# Altium PCB ZYNQ_JTY_16CH.PcbDoc (part 1 of 4)
Units mil, origin at the board's own origin, x right, y up, seen from the top; angles counter-clockwise.
Board outline 6456.69 x 4901.57 mil, 4 copper layers (Top1, GND2, PWR3, Bottom4), stack 22.378 mil thick; 525 components, 438 nets, 2202 pads, 1379 vias.
Unrouted connection lines stored in the file: 13.
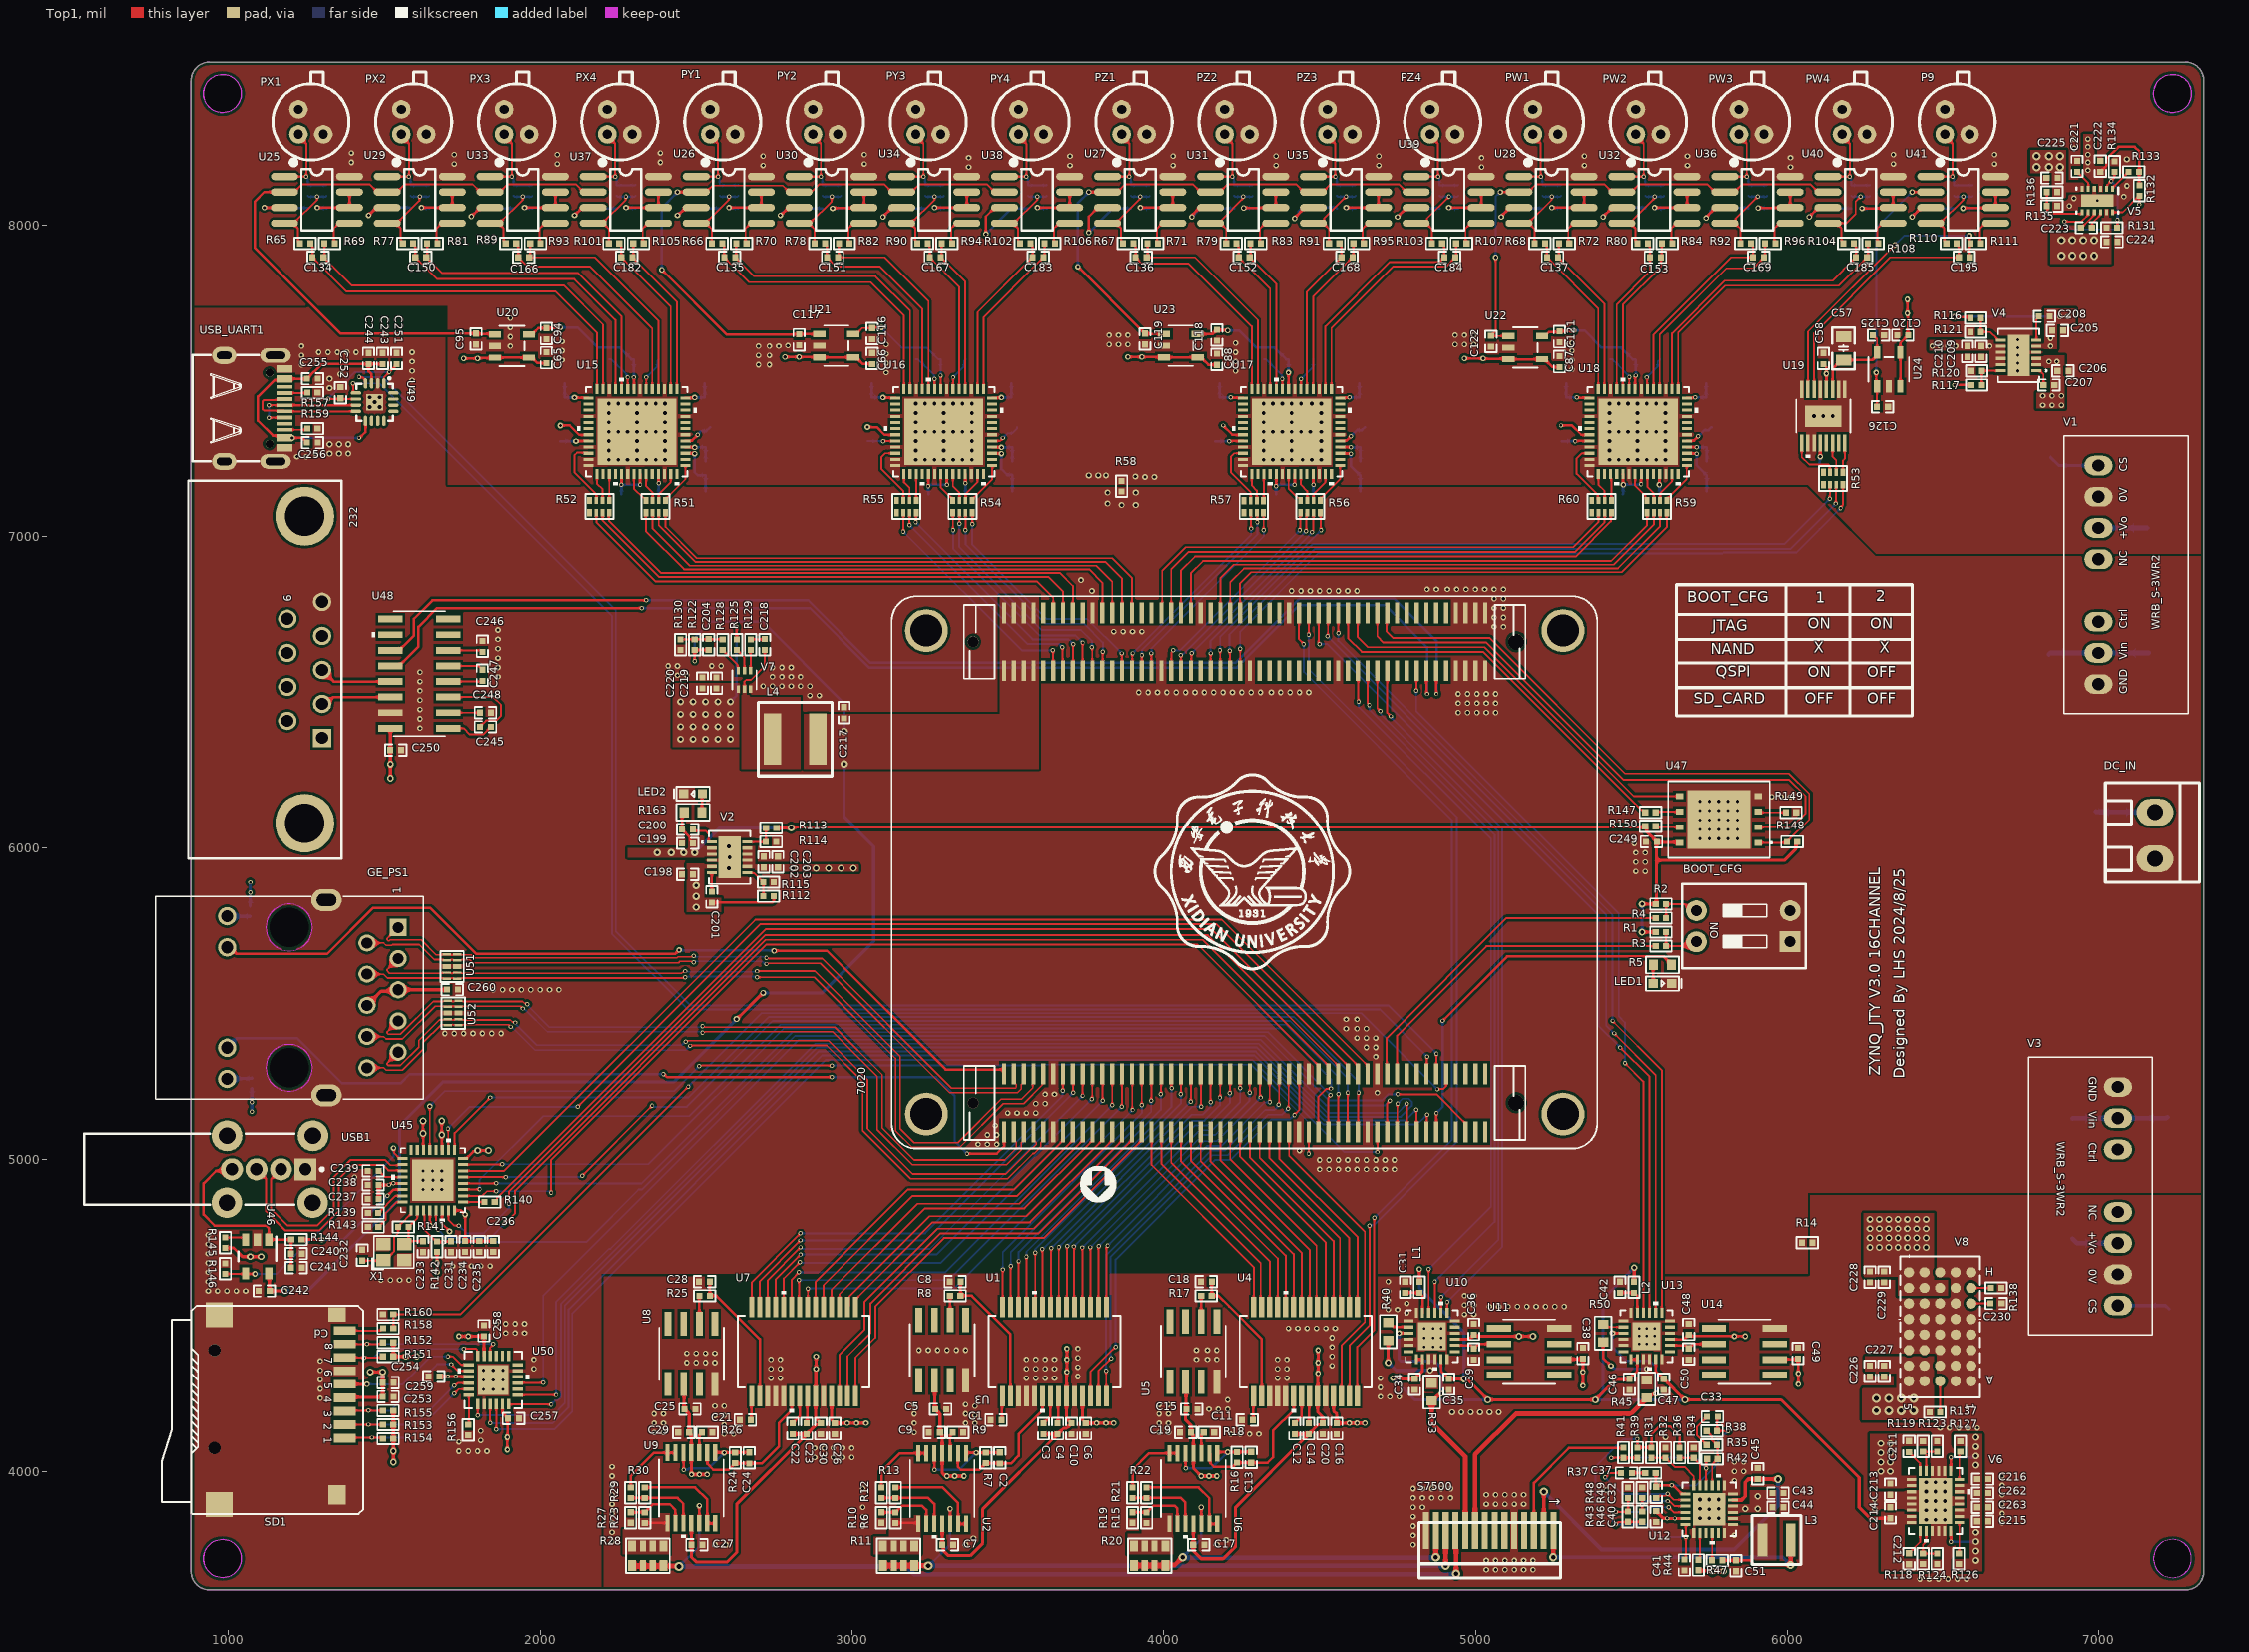
[diagram p0: Top1 view]
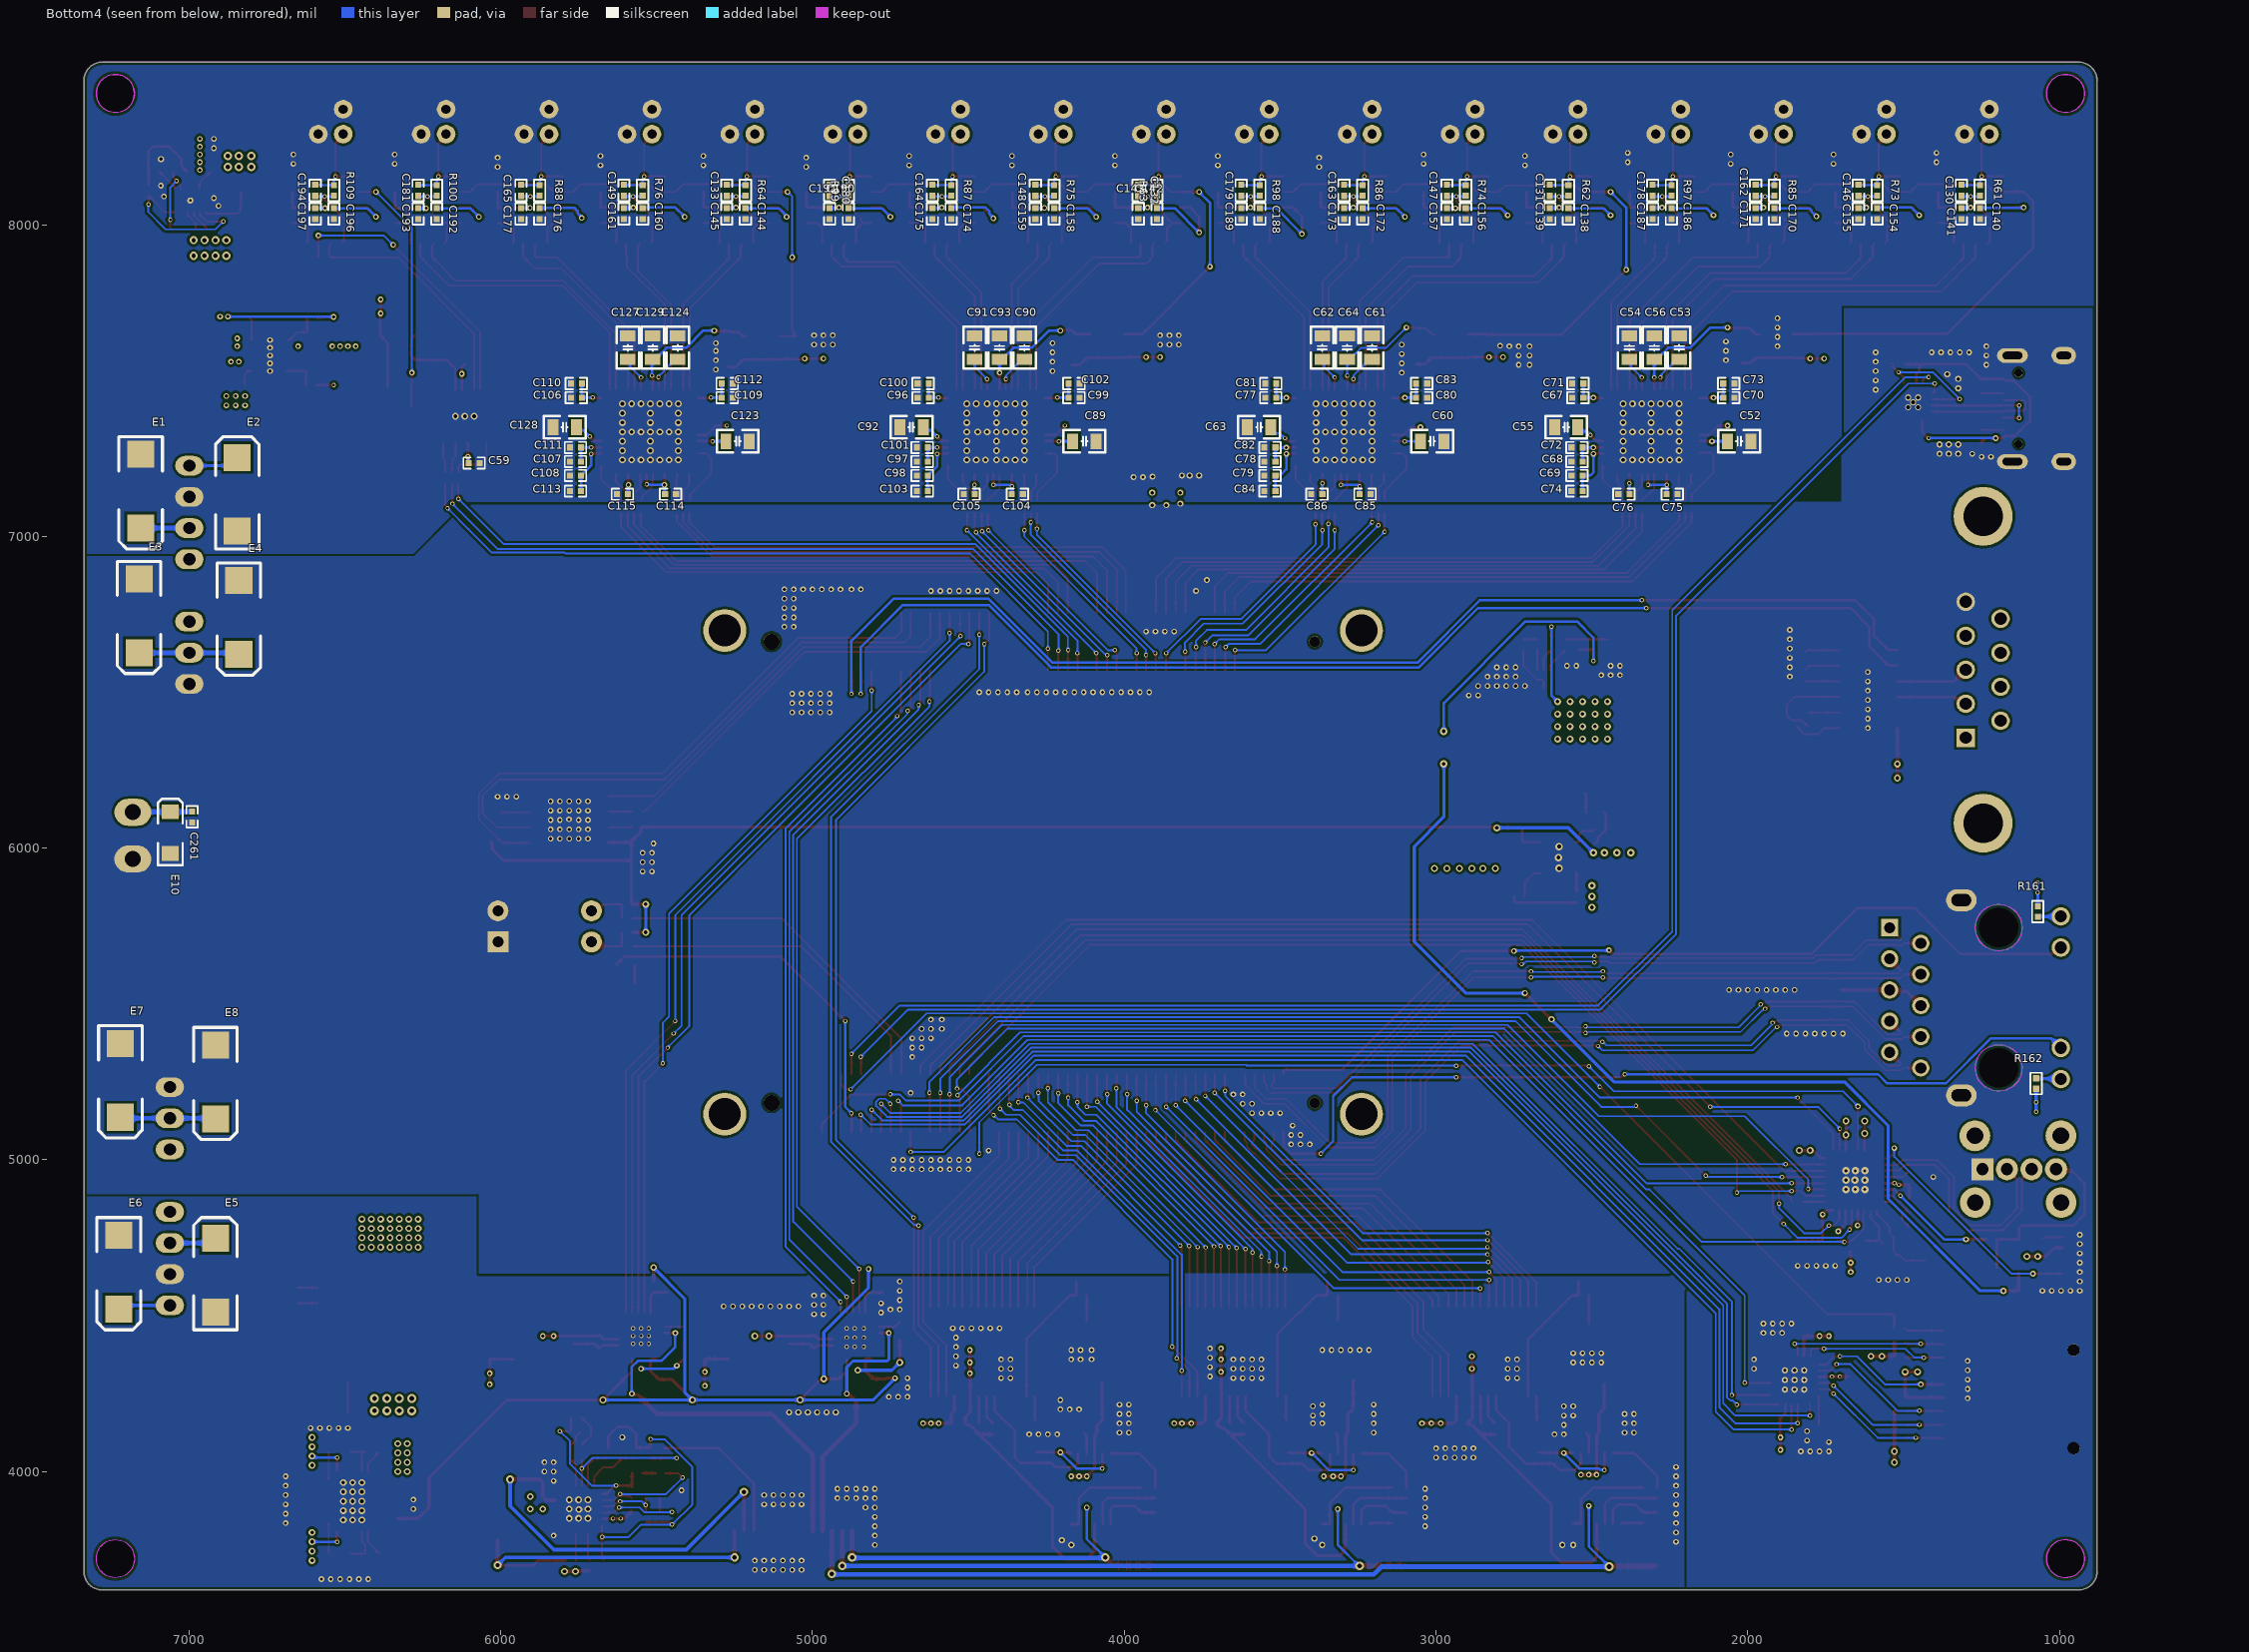
[diagram p1: Bottom4 view, seen from below]
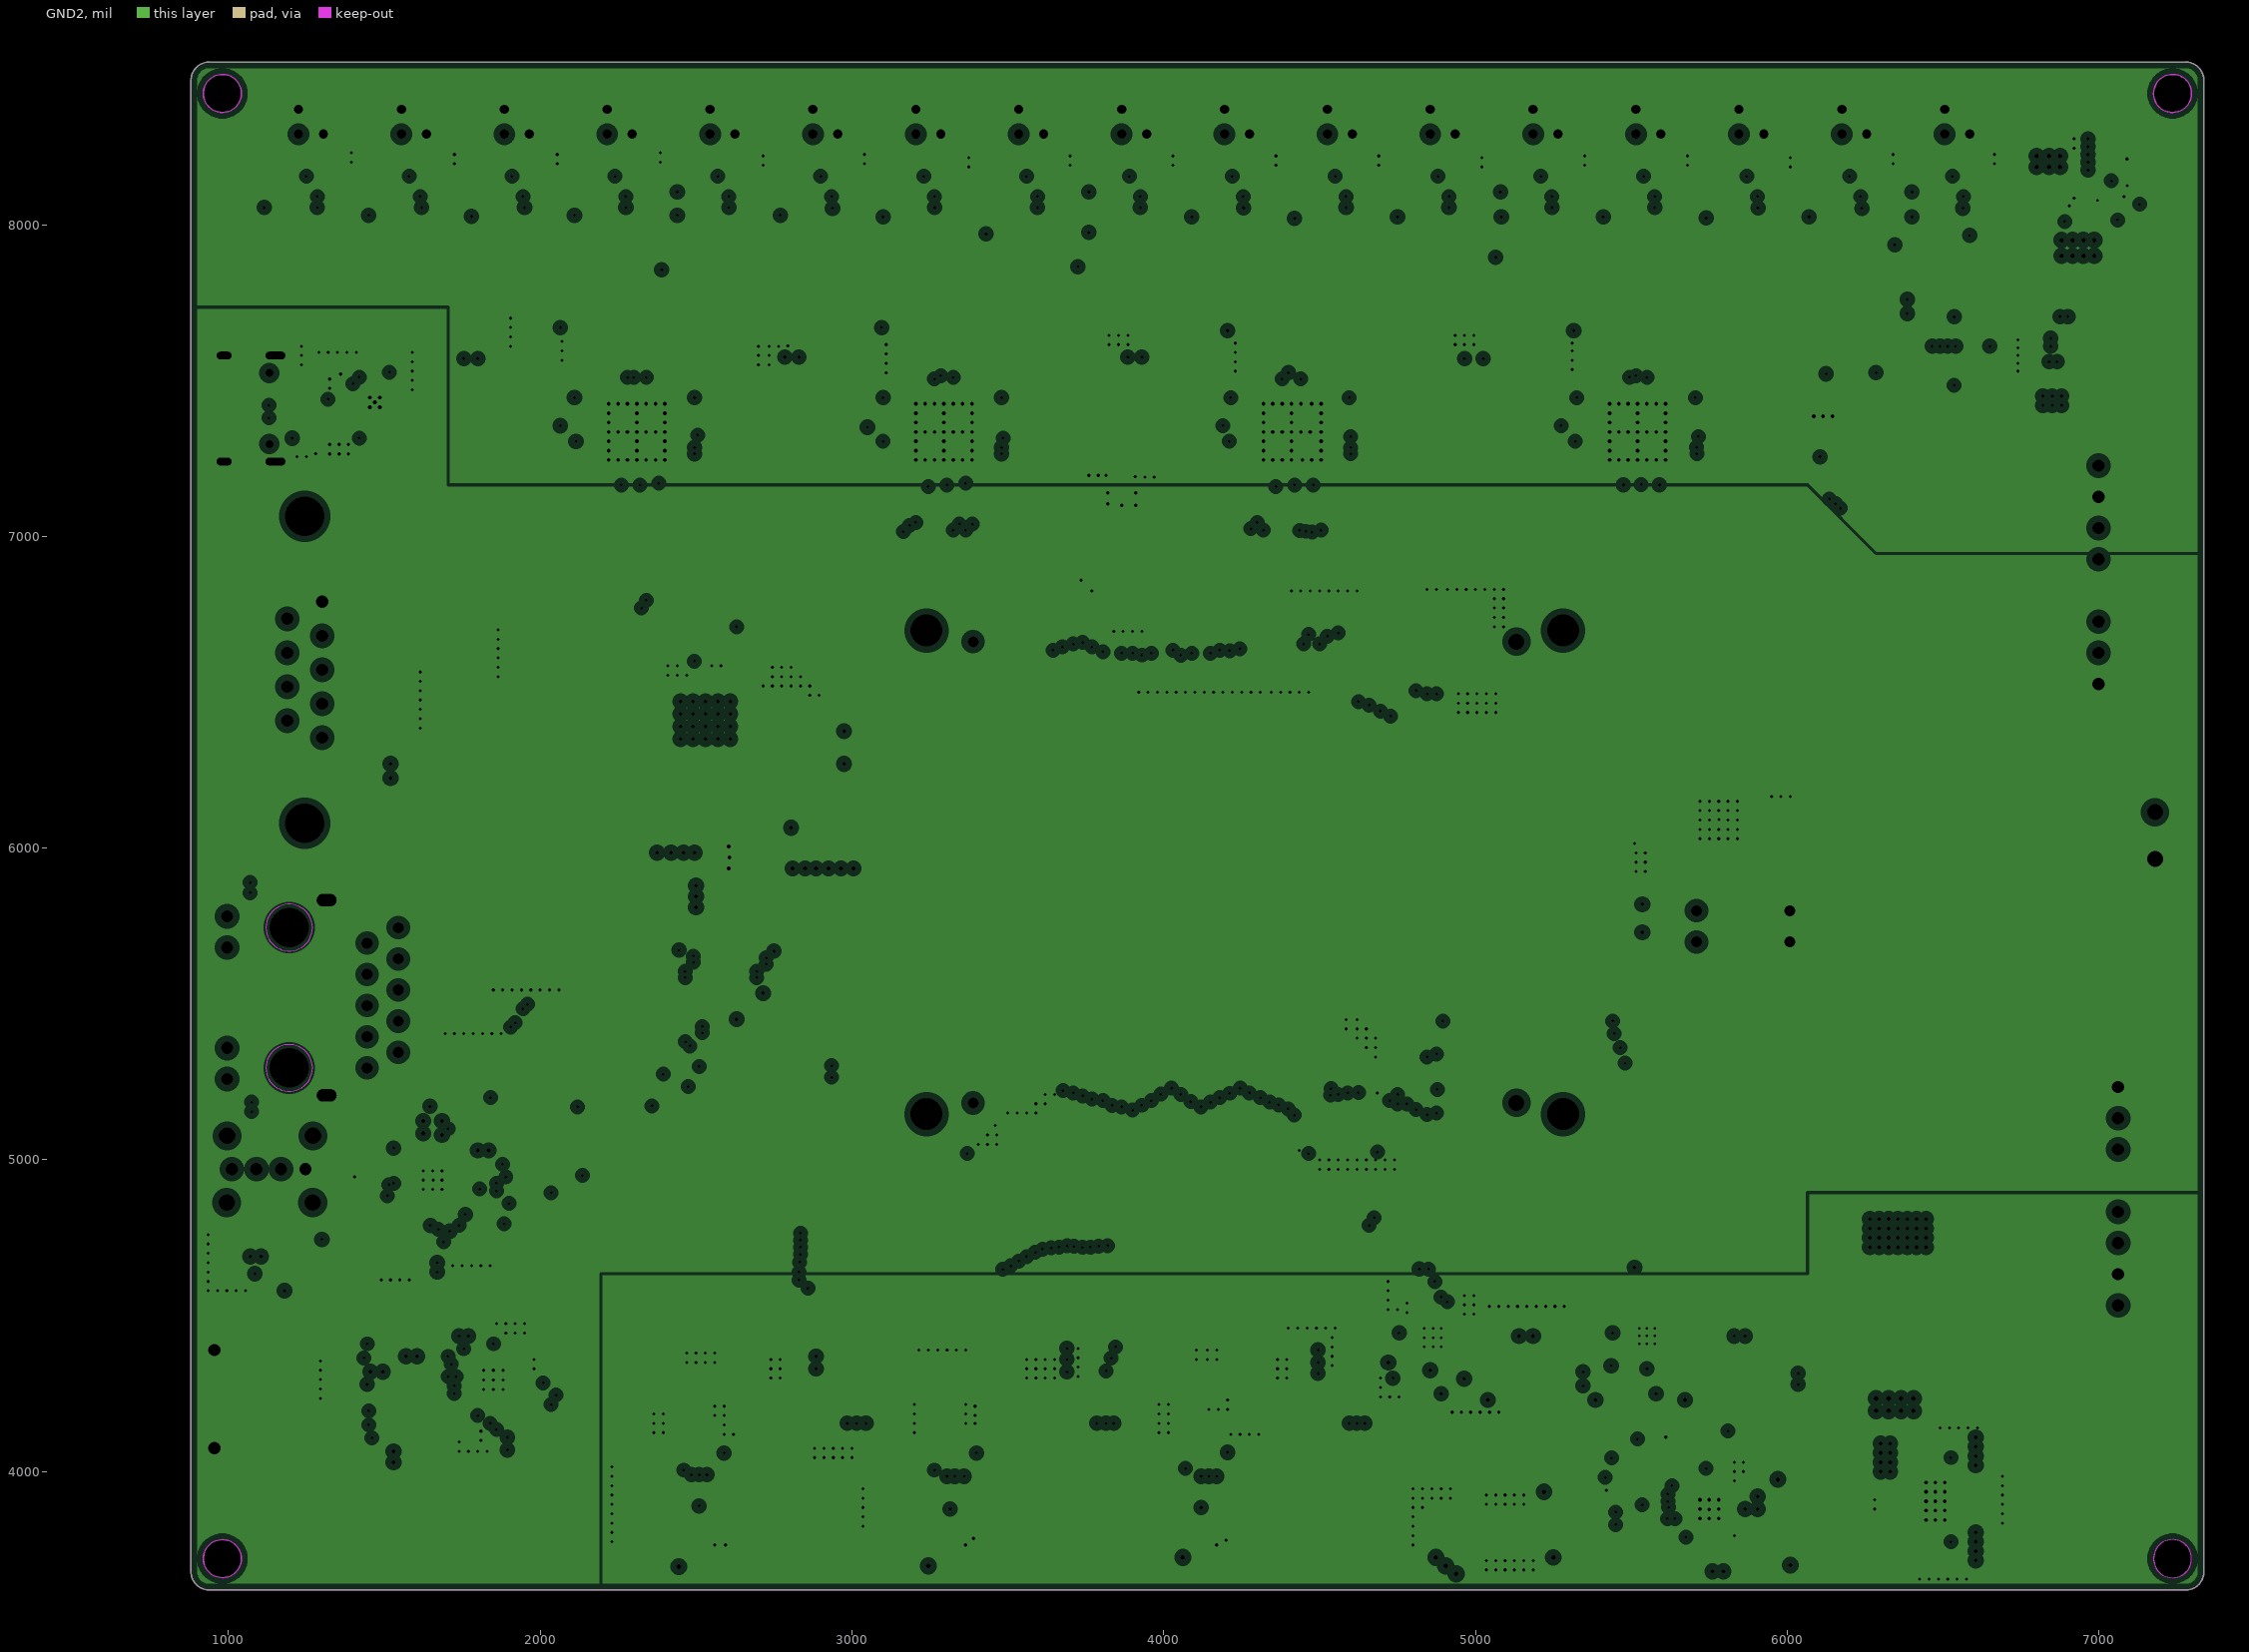
[diagram p2: GND2, clearances drawn from the general rule]